# Allegro board FEE5_10_30.brd (continued)
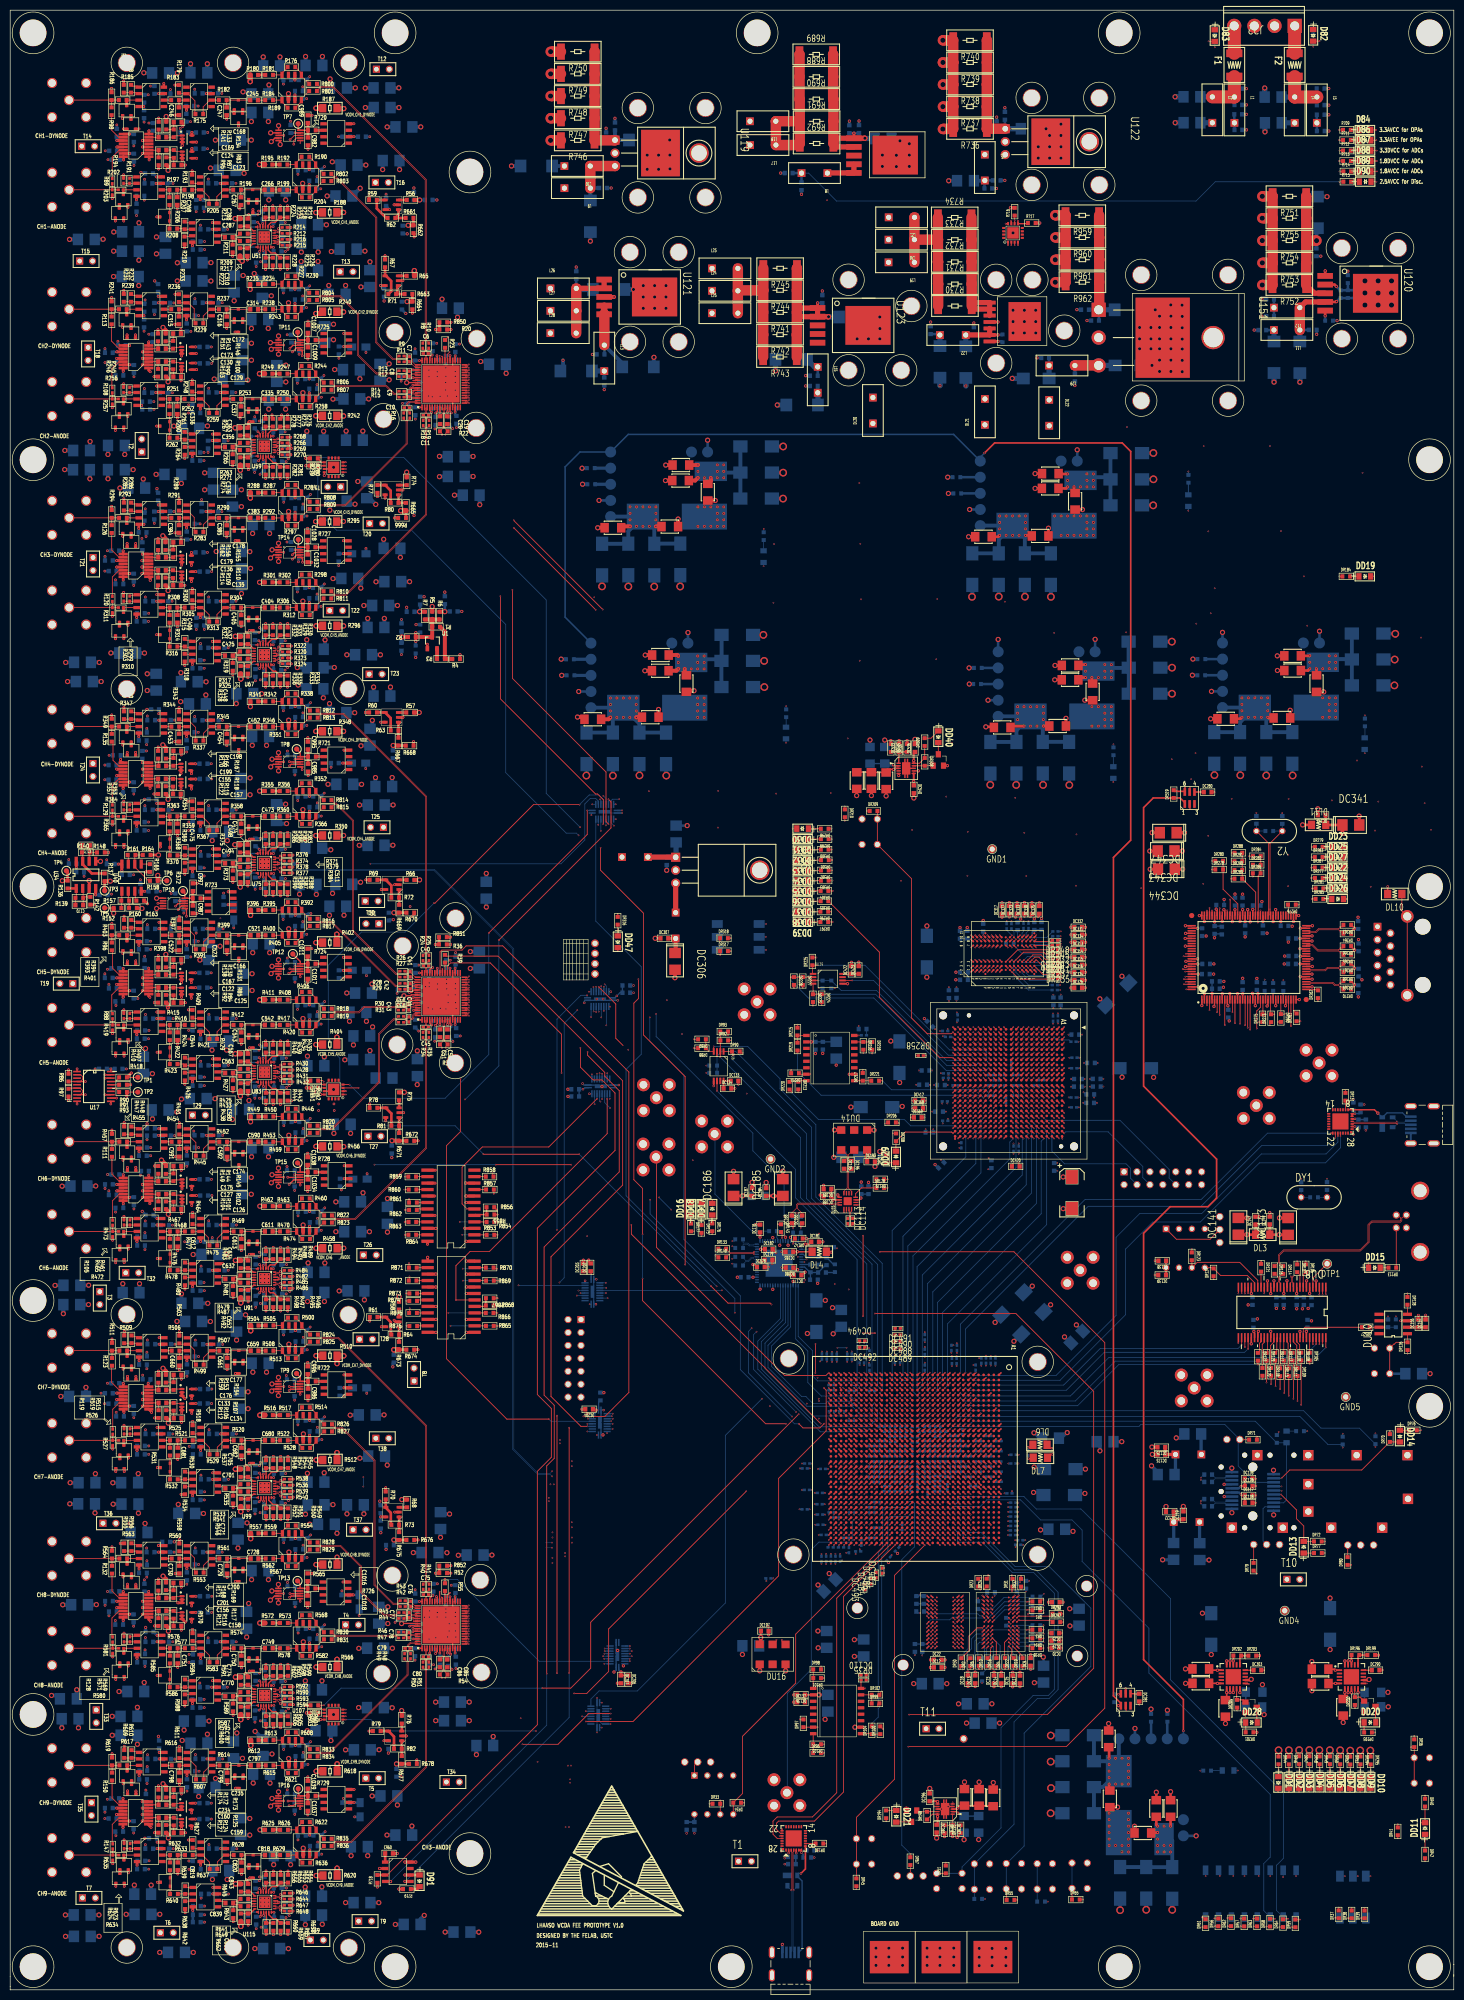
[diagram p0: board, top side]
## Routing (per net, layer and track width the routed paths; a pad name or vN(x,y) marks a point on that pad's centre or on a via; arc(x,y) is an arc through that point) (continued)
N17517587: length 2.9
  TOP w0.152: R468.1 34.32,148.92 R467.2 32.9,148.91 C612.1
N17517605: length 6.1
  TOP w0.152: C611.1 50.04,148.92 D51.3 R469.2 C613.1
N17517621: length 2.9
  TOP w0.152: C591.1 33.23,166.53 R454.2 34.7,166.53 U85.3
N17517738: length 5
  TOP w0.152: R445.2 37.99,165.21 39.31,166.53 U85.6 41.07,166.53 R452.1
N17517740: length 6.5
  TOP w0.152: R451.2 33.39,167.8 U85.2 35.05,167.8 36.47,166.38 R445.1
N17517760: length 4.9
  TOP w0.152: R487.2 44.86,139.22 44.11,139.22 43.79,139.54 C632.2 ; R481.2 43.79,139.59 C632.2 ; C632.2 43.79,139.66 44.08,139.95 44.9,139.95 R479.2
N17517797: length 3.5
  TOP w0.152: U84.3 22.97,166.53 R455.2
  TOP w0.508: R455.2 22.96,165.85 22.96,165.85 D46.3
N17517803: length 0.8
  TOP w0.508: D46.2 23.82,163.53 D48.3
N17517805: length 3.7
  TOP w0.152: R446.1 53.47,171.92 U86.8 R450.2
N17517829: length 1.4
  TOP w0.152: R454.1 31.7,166.53 U84.6
N17517861: length 3.6
  TOP w0.152: R472.2 24.89,148.92 U87.3
  TOP w0.508: R472.2 22.31,148.92 D50.3
N17517917: length 4.5
  TOP w0.102: U89.5 60.08,153.62 61.63,152.06 R822.1
  TOP w0.152: R460.2 58.87,155.39 60.08,154.18 U89.5
N17517939: length 3.7
  TOP w0.152: R463.2 56.26,153.88 U89.8 56.27,154.26 57.31,155.3 R460.1
N17517958: length 3.7
  TOP w0.152: R474.1 57.37,147.49 56.27,148.59 U89.1 56.27,148.92 R470.2
N17517970: length 4.4
  TOP w0.102: U89.4 60.08,149.15 61.58,150.66 R823.1
  TOP w0.152: U89.4 60.08,148.61 R474.2
N17518009: length 1.4
  TOP w0.152: C590.2 50.17,166.52 R453.1
N17518063: length 1.7
  TOP w0.152: U84.1 25.11,169.27 24.08,169.27 R448.2
N17518068: length 3
  TOP w0.152: R447.2 22.39,167.99 23.81,168 R448.1 25.11,168 U84.2
N17518126: length 1.4
  TOP w0.508: R450.1 50.18,171.48 R449.2
N17518503: length 1.4
  TOP w0.508: R462.2 R463.1
N17518522: length 2.6
  TOP w0.152: U87.2 24.89,150.18 R461.1 23.52,150.18 R465.2
N17518528: length 1.5
  TOP w0.152: U87.1 24.81,151.36 23.69,151.36 R461.2
N17518552: length 1.6
  TOP w0.152: R480.1 35.68,139.88 U90.3
N17518562: length 3
  TOP w0.152: R467.1 31.37,148.92 ; 31.37,148.92 R477.1 ; 31.37,148.92 31.36,148.91 U87.6
N17518567: length 4.6
  TOP w0.152: R477.2 31.37,145.94 D54.2 D54.1 31.38,142.81 R478.1
N17518648: length 5.2
  TOP w0.152: R468.2 37.4,148.92 U88.3 37.73,148.92 38.92,147.72 38.92,146.4 R475.1
N17518650: length 0.8
  TOP w0.508: D47.2 45.72,164.62 D49.1
N17518652: length 0.8
  TOP w0.508: D47.1 44.07,164.62 D49.2
N17518714: length 1.6
  TOP w0.152: U90.1 34.59,142.57 R476.1
N17518716: length 2.9
  TOP w0.152: U90.2 35.83,141.3 R476.2 34.34,141.3 R478.2
N17518748: length 5.2
  TOP w0.152: R469.1 U88.6 42.02,148.92 40.67,147.57 R475.2
N17519096: length 0.8
  TOP w0.508: D51.2 48.52,147.02 D53.1
N17519103: length 0.8
  TOP w0.508: D51.1 46.87,147.02 D53.2
N17519184: length 0.8
  TOP w0.508: D52.3 21.52,146.06 D50.1
N17519201: length 1.4
  TOP w0.152: C611.2 R470.1
N17519587: length 3.7
  TOP w0.152: R459.1 53.47,166.12 U86.1 53.47,166.52 R453.2
N17519608: length 4.5
  TOP w0.102: U86.5 57.28,171.22 58.81,169.69 R820.1
  TOP w0.152: R446.2 57.28,171.82 U86.5
N17519611: length 4.4
  TOP w0.102: R821.1 58.81,168.28 57.28,166.75 U86.4
  TOP w0.152: R459.2 56.08,165.06 57.28,166.26 U86.4
N17519614: length 1.7
  TOP w0.152: U90.6 40.94,139.88 41.98,139.88 C632.1
N17523030: length 6.1
  TOP w0.152: C659.1 D56.3 44.91,125.5 R507.2 42.62,125.49 C661.1
N17523073: length 2.9
  TOP w0.152: R521.1 34.33,107.89 R525.2 32.91,107.88 C681.1
N17523083: length 6.1
  TOP w0.152: C682.1 R520.2 D60.3 50.05,107.89 C680.1
N17523093: length 2.9
  TOP w0.152: C660.1 33.24,125.5 R506.2 34.71,125.5 U93.3
N17523200: length 5
  TOP w0.152: R499.2 38.01,124.18 39.33,125.5 U93.6 41.09,125.5 R507.1
N17523202: length 6.5
  TOP w0.152: R503.2 33.4,126.77 U93.2 35.07,126.77 36.23,125.6 36.23,123.01 R499.1
N17523246: length 4.3
  TOP w0.152: R541.2 44.62,98.46 44.42,98.46 ; R535.2 43.8,98.46 C701.2 44.42,98.46 ; 44.42,98.46 R533.2
N17523283: length 3.5
  TOP w0.152: U92.3 22.98,125.51 R509.2
  TOP w0.508: D55.3 22.97,124.82 22.98,124.83 R509.2
N17523289: length 0.8
  TOP w0.508: D55.2 23.83,122.5 D57.3
N17523291: length 3.7
  TOP w0.152: R505.2 U94.8 53.49,130.89 R500.1
N17523307: length 1.4
  TOP w0.152: R506.1 31.72,125.51 U92.6
N17523338: length 3.6
  TOP w0.152: R526.2 24.91,107.89 U95.3
  TOP w0.508: D59.3 22.33,107.89 R526.2
N17523395: length 4.6
  TOP w0.102: R826.1 61.62,111.05 60.1,112.57 U97.5
  TOP w0.152: U97.5 60.1,113.16 58.88,114.37 R514.2
N17523422: length 3.7
  TOP w0.152: R517.2 56.27,112.85 U97.8 56.29,113.23 57.33,114.28 R514.1
N17523444: length 3.7
  TOP w0.152: R528.1 57.39,106.46 56.29,107.56 U97.1 56.28,107.89 R522.2
N17523456: length 4.4
  TOP w0.102: R827.1 61.62,109.64 60.1,108.11 U97.4
  TOP w0.152: R528.2 60.1,107.59 U97.4
N17523495: length 1.4
  TOP w0.152: R508.1 50.19,125.49 C659.2
N17523538: length 1.7
  TOP w0.152: U92.1 25.13,128.24 24.09,128.24 R502.2
N17523554: length 3
  TOP w0.152: R501.2 22.41,126.96 23.83,126.97 R502.1 25.12,126.97 U92.2
N17523596: length 1.4
  TOP w0.508: R504.2 50.2,130.45 R505.1
N17523981: length 1.4
  TOP w0.508: R516.2 R517.1
N17524000: length 2.6
  TOP w0.152: R519.2 23.53,109.15 R515.1 24.91,109.15 U95.2
N17524014: length 1.5
  TOP w0.152: R515.2 23.64,110.27 24.75,110.27 U95.1
N17524038: length 1.6
  TOP w0.152: R534.1 35.69,98.82 U98.3
N17524048: length 3
  TOP w0.152: 31.38,107.89 R525.1 ; 31.38,107.89 31.38,107.89 U95.6 ; 31.38,107.89 R531.1
N17524053: length 4.7
  TOP w0.152: R532.1 31.39,101.75 D63.1 D63.2 31.39,104.91 R531.2
N17524134: length 5.2
  TOP w0.152: R529.1 39.16,106.47 37.74,107.89 U96.3 37.41,107.89 R521.2
N17524136: length 0.8
  TOP w0.508: D56.2 45.73,123.6 D58.1
N17524138: length 0.8
  TOP w0.508: D58.2 44.08,123.6 D56.1
N17524192: length 1.6
  TOP w0.152: U98.1 34.61,101.51 R530.1
N17524194: length 2.9
  TOP w0.152: U98.2 35.84,100.24 R530.2 34.36,100.24 R532.2
N17524234: length 5.2
  TOP w0.152: R529.2 40.69,106.55 42.03,107.89 U96.6 R520.1
N17524574: length 0.8
  TOP w0.508: D60.2 48.54,105.99 D61.1
N17524581: length 0.8
  TOP w0.508: D61.2 46.89,105.99 D60.1
N17524670: length 0.8
  TOP w0.508: D62.3 21.54,105.04 D59.1
N17524687: length 1.4
  TOP w0.152: C680.2 R522.1
N17525073: length 3.7
  TOP w0.152: R513.1 53.49,125.09 U94.1 53.48,125.5 R508.2
N17525086: length 4.5
  TOP w0.102: R824.1 58.85,128.67 57.3,130.23 U94.5
  TOP w0.152: U94.5 57.3,130.79 R500.2
N17525089: length 4.5
  TOP w0.102: U94.4 57.3,125.71 58.85,127.27 R825.1
  TOP w0.152: R513.2 57.3,125.2 U94.4
N17525092: length 1.7
  TOP w0.152: U98.6 40.98,98.79 41.94,98.79 C701.1
N17528527: length 6.1
  TOP w0.152: C728.1 D65.3 44.9,84.68 R561.2 42.61,84.67 C729.1
N17528570: length 2.9
  TOP w0.152: R577.1 34.33,67.07 R576.2 32.91,67.06 C751.1
N17528572: length 6.1
  TOP w0.152: C749.1 50.05,67.07 D69.3 R574.2 C750.1
N17528582: length 2.9
  TOP w0.152: C730.1 33.23,84.68 R560.2 34.7,84.68 U102.3
N17528697: length 5
  TOP w0.152: R553.2 38,83.36 39.32,84.68 U102.6 41.08,84.68 R561.1
N17528699: length 6.5
  TOP w0.152: R553.1 36.23,82.19 36.23,84.78 35.06,85.95 U102.2 33.4,85.95 R558.2
N17528735: length 4.3
  TOP w0.152: 44.41,57.64 44.61,57.64 R595.2 ; 44.41,57.64 C770.2 43.79,57.64 R589.2 ; 44.41,57.64 R587.2
N17528780: length 3.5
  TOP w0.152: R563.2 22.98,84.69 U100.3
  TOP w0.508: R563.2 22.97,84.01 22.97,84 D64.3
N17528786: length 0.8
  TOP w0.508: D66.3 23.82,81.68 D64.2
N17528788: length 3.7
  TOP w0.152: R559.2 U101.8 53.48,90.07 R554.1
N17528795: length 1.4
  TOP w0.152: R560.1 31.71,84.69 U100.6
N17528827: length 3.6
  TOP w0.152: U103.3 24.9,67.07 R580.2
  TOP w0.508: R580.2 22.32,67.07 D68.3
N17528892: length 4.5
  TOP w0.102: R830.1 60.09,71.76 U105.5
  TOP w0.152: U105.5 60.09,72.34 58.88,73.55 R568.2
N17528919: length 3.7
  TOP w0.152: R573.2 56.27,72.03 U105.8 56.28,72.41 57.32,73.46 R568.1
N17528941: length 3.7
  TOP w0.152: R582.1 57.38,65.64 56.28,66.74 U105.1 56.27,67.07 R578.2
N17528953: length 4.4
  TOP w0.102: U105.4 60.09,67.27 R831.1
  TOP w0.152: R582.2 60.09,66.77 U105.4
N17528992: length 1.4
  TOP w0.152: C728.2 50.18,84.67 R562.1
N17529035: length 1.7
  TOP w0.152: U100.1 25.12,87.42 24.09,87.42 R556.2
N17529051: length 3
  TOP w0.152: U100.2 25.12,86.15 R556.1 23.82,86.15 22.4,86.14 R555.2
N17529077: length 1.4
  TOP w0.508: R559.1 50.19,89.63 R557.2
N17529467: length 1.4
  TOP w0.508: R572.2 R573.1
N17529497: length 2.6
  TOP w0.152: R571.2 23.53,68.33 R569.1 24.9,68.33 U103.2
N17529503: length 1.5
  TOP w0.152: U103.1 24.73,69.43 23.62,69.43 R569.2
N17529535: length 1.6
  TOP w0.152: U106.3 35.65,58.01 R588.1
N17529545: length 3
  TOP w0.152: 31.37,67.07 R576.1 ; 31.37,67.07 R585.1 ; 31.37,67.07 31.37,67.07 U103.6
N17529550: length 4.7
  TOP w0.152: R586.1 31.35,60.94 D72.1 D72.2 31.35,64.07 R585.2
N17529631: length 5.2
  TOP w0.152: R577.2 37.4,67.07 U104.3 37.73,67.07 39.16,65.65 R583.1
N17529633: length 0.8
  TOP w0.508: D65.2 45.73,82.78 D67.1
N17529635: length 0.8
  TOP w0.508: D67.2 44.08,82.78 D65.1
N17529689: length 1.6
  TOP w0.152: U106.1 34.57,60.7 R584.1
N17529691: length 2.9
  TOP w0.152: R586.2 34.32,59.43 R584.2 35.8,59.43 U106.2
N17529731: length 5.2
  TOP w0.152: R574.1 U104.6 42.02,67.07 40.68,65.73 R583.2
N17530054: length 0.8
  TOP w0.508: D69.2 48.53,65.17 D70.1
N17530078: length 0.8
  TOP w0.508: D69.1 46.88,65.17 D70.2
N17530159: length 0.8
  TOP w0.508: D68.1 21.53,64.22 D71.3
N17530175: length 1.4
  TOP w0.152: C749.2 R578.1
N17530570: length 3.7
  TOP w0.152: R562.2 53.47,84.68 U101.1 53.48,84.27 R567.1
N17530575: length 4.5
  TOP w0.102: R828.1 58.8,87.85 57.29,89.37 U101.5
  TOP w0.152: R554.2 57.29,89.97 U101.5
N17530586: length 4.4
  TOP w0.102: U101.4 57.29,84.94 58.79,86.45 R829.1
  TOP w0.152: U101.4 57.29,84.43 56.09,83.23 R567.2
N17530589: length 1.7
  TOP w0.152: C770.1 41.93,57.97 40.96,57.97 U106.6
N17533994: length 6.1
  TOP w0.152: C799.1 42.63,44.06 R614.2 44.92,44.06 D74.3 C797.1
N17534026: length 2.9
  TOP w0.152: C819.1 32.93,26.45 R632.2 34.34,26.46 R633.1
N17534028: length 6.1
  TOP w0.152: C818.1 50.06,26.46 D78.3 R628.2 C820.1
N17534049: length 2.9
  TOP w0.152: C798.1 33.25,44.07 R616.2 34.72,44.07 U108.3
N17534164: length 5
  TOP w0.152: R614.1 41.1,44.07 U108.6 39.34,44.07 38.02,42.75 R607.2
N17534166: length 6.5
  TOP w0.152: R607.1 36.5,43.92 35.08,45.34 U108.2 33.41,45.34 R611.2
N17534186: length 4.9
  TOP w0.152: R643.2 C839.2 ; C839.2 43.82,17.1 44.13,17.41 44.81,17.41 R641.2 ; C839.2 44.16,16.71 44.95,16.71 R649.2
N17534247: length 3.5
  TOP w0.152: R617.2 22.99,44.07 U109.3
  TOP w0.508: R617.2 22.99,43.39 22.98,43.39 D73.3
N17534261: length 0.8
  TOP w0.508: D75.3 23.84,41.07 D73.2
N17534263: length 3.7
  TOP w0.152: R613.2 U110.8 53.5,49.46 R608.1
N17534270: length 1.4
  TOP w0.152: U109.6 31.73,44.07 R616.1
N17534294: length 3.6
  TOP w0.152: U113.3 24.92,26.46 R634.2
  TOP w0.508: D77.3 22.34,26.46 R634.2
N17534359: length 4.5
  TOP w0.102: U112.5 60.11,31.14 61.58,29.66 R835.1
  TOP w0.152: R622.2 58.89,32.94 60.11,31.72 U112.5
N17534394: length 3.7
  TOP w0.152: R626.2 56.28,31.42 U112.8 56.3,31.8 57.34,32.85 R622.1
N17534413: length 3.7
  TOP w0.152: R636.1 57.4,25.03 56.3,26.13 U112.1 56.29,26.46 R629.2
N17534420: length 4.4
  TOP w0.102: R836.1 60.11,26.74 U112.4
  TOP w0.152: U112.4 60.11,26.15 R636.2
N17534467: length 1.4
  TOP w0.152: R615.1 50.2,44.06 C797.2
N17534501: length 1.7
  TOP w0.152: R610.2 24.1,46.81 25.14,46.81 U109.1
N17534515: length 3
  TOP w0.152: R609.2 22.42,45.53 23.84,45.54 R610.1 25.13,45.54 U109.2
N17534544: length 1.4
  TOP w0.508: R612.2 50.21,49.02 R613.1
N17534934: length 1.4
  TOP w0.508: R625.2 R626.1
N17534964: length 2.6
  TOP w0.152: R624.2 23.54,27.72 R623.1 24.92,27.72 U113.2
N17534970: length 1.5
  TOP w0.152: U113.1 24.8,28.87 23.68,28.87 R623.2
N17535002: length 1.6
  TOP w0.152: R642.1 35.71,17.41 U114.3
N17535012: length 3
  TOP w0.152: 31.39,26.46 R639.1 ; 31.39,26.46 R632.1 ; 31.39,26.46 31.39,26.45 U113.6
N17535017: length 4.7
  TOP w0.152: R640.1 31.41,20.34 D81.1 D81.2 31.41,23.46 R639.2
N17535082: length 5.2
  TOP w0.152: R637.1 39.17,25.04 37.75,26.46 U111.3 37.42,26.46 R633.2
N17535108: length 0.8
  TOP w0.508: D76.1 45.74,42.16 D74.2
N17535110: length 0.8
  TOP w0.508: D74.1 44.09,42.16 D76.2
N17535150: length 1.6
  TOP w0.152: U114.1 34.63,20.1 R638.1
N17535152: length 2.9
  TOP w0.152: R640.2 34.38,18.83 R638.2 35.86,18.83 U114.2
N17535206: length 5.2
  TOP w0.152: R628.1 U111.6 42.04,26.46 40.7,25.12 R637.2
N17535521: length 0.8
  TOP w0.508: D79.1 48.55,24.56 D78.2
N17535544: length 0.8
  TOP w0.508: D79.2 46.9,24.56 D78.1
N17535626: length 0.8
  TOP w0.508: D77.1 21.55,23.6 D80.3
N17535642: length 1.4
  TOP w0.152: C818.2 R629.1
N17536037: length 3.7
  TOP w0.152: R621.1 53.5,43.66 U110.1 53.49,44.06 R615.2
N17536042: length 4.4
  TOP w0.102: U110.5 57.31,48.82 R833.1
  TOP w0.152: R608.2 57.31,49.36 U110.5
N17536053: length 4.4
  TOP w0.102: R834.1 58.81,45.84 57.31,44.34 U110.4
  TOP w0.152: R621.2 57.31,43.76 U110.4
N17536056: length 1.7
  TOP w0.152: U114.6 41.01,17.37 41.98,17.37 C839.1
N17590737: length 3.3
  BOTTOM w0.635: DU28.8 110.85,258.1 DR188.1
N17591111: length 1.7
  TOP w0.152: DR184.2 264.95,277.54 DD19.1
N17592110: length 2.4
  BOTTOM w0.203: DD46.1 231.45,293.59 DR315.2
N17592497: length 3
  BOTTOM w0.635: DR183.1 114.92,295.63 DU26.8
N17593470: length 3.4
  BOTTOM w0.508: DU25.8 234.74,258.14 DR182.1
N17595870: length 2.2
  BOTTOM w0.152: DD45.1 238.08,43.04 DR314.2
N17596153: length 1.7
  TOP w0.254: DU32.4 221.78,58.14 DC281.1
N17598777: length 3.4
  BOTTOM w0.508: DR192.1 190.71,256.4 DU30.8
N17601070: length 2.3
  BOTTOM w0.152: DD44.1 216.7,242.42 DR313.2
N17605790: length 2
  BOTTOM w0.152: DD43.1 152.43,247.96 DR312.2
N17606177: length 3.8
  BOTTOM w0.508: DR191.1 186.82,293.85 DU29.8
N17607950: length 2.1
  BOTTOM w0.152: DD42.1 148,284.65 DR311.2
N17610310: length 2.3
  BOTTOM w0.152: DD41.1 266.13,245.89 DR310.2
N17618838: length 1.7
  TOP w0.254: v9(48.25,346.15) 48.6,346.15 U51.6
  BOTTOM w0.254: R220.1 47.38,346.15 v9(48.25,346.15)
N17618841: length 1.1
  TOP w0.254: U51.9 47.44,344.42 v9(47.42,344.4)
  BOTTOM w0.254: v9(47.42,344.4) 47.05,344.77 R220.2
N17618859: length 1.7
  TOP w0.254: v9(48.3,342.22) 48.65,342.22 U51.13
  BOTTOM w0.254: R221.1 47.25,342.22 v9(48.3,342.22)
N17618865: length 1.2
  TOP w0.254: U51.10 47.44,343.91 v9(47.43,343.92)
  BOTTOM w0.254: v9(47.43,343.92) 47.05,343.54 R221.2
N17620894: length 1.3
  TOP w0.152: U59.8 46.75,303.86 R263.1
N17620932: length 1.3
  TOP w0.152: R271.1 47.94,302.35 U59.11
N17620934: length 3.1
  TOP w0.254: U59.12 47.73,301.82 46.82,300.92 C376.2 R274.1
N17620946: length 1.2
  TOP w0.254: v9(48.26,305.08) 48.61,305.08 U59.6
  BOTTOM w0.254: R272.1 47.46,305.08 v9(48.26,305.08)
N17620948: length 1.2
  TOP w0.254: v9(47.44,303.36) 47.95,303.36 U59.9
  BOTTOM w0.254: v9(47.44,303.36) 47.44,304.03 R272.2
N17620960: length 1.2
  TOP w0.254: U59.13 48.67,301.17 v9(48.31,301.17)
  BOTTOM w0.254: R273.1 v9(48.31,301.17)
N17620972: length 1.2
  TOP w0.254: v9(47.44,302.85) 47.95,302.85 U59.10
  BOTTOM w0.254: v9(47.44,302.85) 47.44,302.23 R273.2
N17620995: length 3.1
  TOP w0.254: R267.1 C363.2 47.46,304.36 U59.7
N17631071: length 1.3
  TOP w0.152: R317.1 46.77,262.89 U67.8
N17631140: length 1.3
  TOP w0.152: R325.1 47.96,261.38 U67.11
N17631142: length 3.1
  TOP w0.254: U67.12 47.76,260.85 46.85,259.95 C448.2 R328.1
N17631154: length 2.1
  TOP w0.254: U67.6 v9(48.27,264.1)
  BOTTOM w0.254: R326.1 46.64,264.1 v9(48.27,264.1)
N17631156: length 1.5
  TOP w0.254: U67.9 v9(47.46,262.38)
  BOTTOM w0.254: R326.2 46.84,262.38 v9(47.46,262.38)
N17631168: length 2.4
  TOP w0.254: U67.13 48.61,260.27 48.5,260.27 v9(48.33,260.27)
  BOTTOM w0.254: R327.1 47.22,260.27 v9(48.33,260.27)
N17631172: length 1.7
  TOP w0.254: U67.10 v9(47.46,261.87)
  BOTTOM w0.254: R327.2 46.77,261.18 v9(47.46,261.87)
N17631203: length 3.1
  TOP w0.254: R321.1 C432.2 46.92,264.24 47.77,263.39 U67.7
N17632559: length 1.3
  TOP w0.152: R371.1 47.98,221.92 U75.8
N17632628: length 1.3
  TOP w0.152: U75.11 46.81,220.38 R379.1
N17632630: length 3.1
  TOP w0.254: R384.1 C511.2 46.87,219.06 47.68,219.87 U75.12
N17632642: length 2.1
  TOP w0.254: U75.6 v9(48.28,223.12)
  BOTTOM w0.254: v9(48.28,223.12) 46.66,223.12 R380.1
N17632644: length 1.4
  TOP w0.254: U75.9 v9(47.47,221.39)
  BOTTOM w0.254: R380.2 46.73,221.39 v9(47.47,221.39)
N17632656: length 2.4
  TOP w0.254: v9(48.33,219.3) 48.61,219.3 U75.13
  BOTTOM w0.254: R381.1 46.67,218.57 47.4,219.3 v9(48.33,219.3)
N17632660: length 1.7
  TOP w0.254: v9(47.47,220.88) 47.5,220.88 47.5,220.89 U75.10
  BOTTOM w0.254: v9(47.47,220.88) 46.68,220.1 R381.2
N17632691: length 3.2
  TOP w0.254: R375.1 46.61,223.34 C498.2 46.83,223.33 47.75,222.41 U75.7
N17634016: length 1.3
  TOP w0.152: U83.8 46.8,180.93 R425.1
N17634085: length 1.3
  TOP w0.152: U83.11 47.99,179.43 R433.1
N17634087: length 3.1
  TOP w0.254: U83.12 47.74,178.9 46.85,178.01 C580.2 46.7,178.02 R438.1
N17634099: length 2.1
  TOP w0.254: v9(48.3,182.09) 48.6,182.09 U83.6
  BOTTOM w0.254: R436.1 46.8,182.09 v9(48.3,182.09)
N17634101: length 1.5
  TOP w0.254: U83.9 47.55,180.42 47.54,180.43 v9(47.49,180.43)
  BOTTOM w0.254: R436.2 46.93,180.43 v9(47.49,180.43)
N17634113: length 2.2
  TOP w0.254: U83.13 48.71,178.25 v9(48.36,178.25)
  BOTTOM w0.254: v9(48.36,178.25) 47.11,178.25 46.71,177.86 R437.1
N17634117: length 1.6
  TOP w0.254: U83.10 v9(47.49,179.92)
  BOTTOM w0.254: R437.2 46.76,179.38 47.3,179.92 v9(47.49,179.92)
N17634148: length 3.1
  TOP w0.254: R429.1 C567.2 46.88,182.29 47.73,181.44 U83.7
N17635469: length 1.3
  TOP w0.152: R479.1 46.85,140.38 U91.8
N17635538: length 1.3
  TOP w0.152: U91.11 48.02,138.85 R487.1
N17635540: length 3.1
  TOP w0.254: U91.12 47.81,138.35 46.88,137.42 C652.2 46.73,137.43 R492.1
N17635552: length 2
  TOP w0.254: v9(48.33,141.61) 48.43,141.61 48.44,141.6 U91.6
  BOTTOM w0.254: R490.1 46.81,141.61 v9(48.33,141.61)
N17635554: length 1.4
  TOP w0.254: U91.9 v9(47.51,139.88)
  BOTTOM w0.254: v9(47.51,139.88) 47.01,139.88 R490.2
N17635566: length 2.2
  TOP w0.254: U91.13 v9(48.38,137.69)
  BOTTOM w0.254: v9(48.38,137.69) 47.24,137.69 R491.1
N17635570: length 1.5
  TOP w0.254: U91.10 v9(47.51,139.37)
  BOTTOM w0.254: R491.2 46.87,138.73 v9(47.51,139.37)
N17635601: length 3.1
  TOP w0.254: U91.7 47.74,140.89 46.93,141.7 C634.2 R483.1
N17636917: length 1.3
  TOP w0.152: U99.8 46.83,99.36 R533.1
N17636986: length 1.3
  TOP w0.152: U99.11 48.03,97.85 R541.1
N17636988: length 3.1
  TOP w0.254: R546.1 46.73,96.43 C721.2 46.87,96.42 47.77,97.33 U99.12
N17637000: length 2
  TOP w0.254: U99.6 v9(48.34,100.58)
  BOTTOM w0.254: v9(48.34,100.58) 46.8,100.58 R542.1
N17637002: length 1.4
  TOP w0.254: v9(47.53,98.85) 47.62,98.85 47.63,98.85 U99.9
  BOTTOM w0.254: v9(47.53,98.85) 47,98.85 R542.2
N17637006: length 2.3
  TOP w0.254: U99.13 v9(48.39,96.67)
  BOTTOM w0.254: R543.1 46.72,96.19 47.2,96.67 v9(48.39,96.67)
N17637018: length 1.6
  TOP w0.254: U99.10 v9(47.53,98.34)
  BOTTOM w0.254: R543.2 46.9,97.71 v9(47.53,98.34)
N17637049: length 3.1
  TOP w0.254: U99.7 47.72,99.87 46.88,100.71 C705.2 46.7,100.72 R537.1
N17638408: length 1.3
  TOP w0.152: R587.1 46.83,58.54 U107.8
N17638477: length 1.3
  TOP w0.152: U107.11 48.02,57.03 R595.1
N17638479: length 3.1
  TOP w0.254: R600.1 C787.2 46.84,55.59 47.75,56.51 U107.12
N17638491: length 2
  TOP w0.254: U107.6 v9(48.33,59.76)
  BOTTOM w0.254: R596.1 46.84,59.76 v9(48.33,59.76)
N17638493: length 1.4
  TOP w0.254: U107.9 v9(47.52,58.03)
  BOTTOM w0.254: R596.2 47.04,58.03 v9(47.52,58.03)
N17638497: length 2.3
  TOP w0.254: U107.13 v9(48.38,55.84)
  BOTTOM w0.254: R597.1 46.72,55.37 47.2,55.84 v9(48.38,55.84)
N17638501: length 1.6
  TOP w0.254: U107.10 v9(47.52,57.52)
  BOTTOM w0.254: R597.2 46.89,56.89 v9(47.52,57.52)
N17638540: length 3.1
  TOP w0.254: R591.1 46.72,59.89 C774.2 46.9,59.88 47.73,59.05 U107.7
N17639907: length 1.3
  TOP w0.152: R641.1 46.84,17.93 U115.8
N17639976: length 1.3
  TOP w0.152: U115.11 48.04,16.42 R649.1
N17639978: length 3.1
  TOP w0.254: R652.1 46.74,14.98 C856.2 47.15,14.99 U115.12
N17639990: length 2
  TOP w0.254: v9(48.35,19.08) 48.65,19.08 U115.6
  BOTTOM w0.254: v9(48.35,19.08) 46.8,19.08 R650.1
N17639992: length 1.3
  TOP w0.254: U115.9 v9(47.54,17.42)
  BOTTOM w0.254: R650.2 46.82,17.42 v9(47.54,17.42)
N17639996: length 2.3
  TOP w0.254: v9(48.4,15.27) 48.48,15.27 48.73,15.27 U115.13
  BOTTOM w0.254: R651.1 47.46,15.27 v9(48.4,15.27)
N17640000: length 1.7
  TOP w0.254: U115.10 v9(47.54,16.91)
  BOTTOM w0.254: v9(47.54,16.91) 46.75,16.13 R651.2
N17640031: length 3.1
  TOP w0.254: U115.7 47.21,19.28 C843.2 46.74,19.28 R645.1
N167726550: length 1.8
  TOP w0.152: DR76.1 274.79,109.87 DD14.1
N167728190: length 2
  TOP w0.152: DR77.1 256.12,85.76 DD13.1
N167729630: length 1.9
  BOTTOM w0.152: DR78.1 252.61,109.71 DD12.1
N167755410: length 3.2
  TOP w0.203: DD20.2 268.21,52.55 Q1.3
N167757790: length 2
  TOP w0.203: DD20.1 265.96,50.56 DR193.2
N167758190: length 1.9
  TOP w0.203: DR201.2 242.69,50.57 DD28.1
N167758191: length 3
  TOP w0.203: DD28.2 244.89,52.58 Q3.3
N167758790: length 2
  TOP w0.152: DD21.1 172.08,35.22 DR194.2
N167758791: length 3
  TOP w0.152: DD21.2 174.1,32.97 Q2.3
N167759190: length 2.2
  TOP w0.152: DR316.2 119.34,206.96 DD47.1
N167761370: length 2.3
  TOP w0.152: DD40.2 182.32,242.62 Q5.3
N167761832: length 5.8
  TOP w1.016: DL9.1 130.73,217.31 DU36.3
N167763871: length 3.3
  TOP w0.152: DR309.2 180.89,245.78 DD40.1
N167773160: length 1.7
  TOP w0.152: DR285.2 257.97,214.2 DD26.1
N167773320: length 1.7
  TOP w0.152: DD22.1 257.84,218.32 DR277.2
N167773820: length 1.8
  TOP w0.152: DR283.2 259.53,222.42 DD25.1
N167775470: length 1.8
  TOP w0.152: DR279.2 DD23.1
N167775580: length 1.8
  TOP w0.152: DR287.2 257.81,220.35 DD27.1
N167776560: length 1.7
  TOP w0.152: DD24.1 257.97,216.27 DR281.2
N168211214: length 1.7
  TOP w0.152: R165.2 27.43,221.05 U40.5
N174487351: length 1.6
  TOP w0.152: U48.2 35.91,354.73 R193.2
N174953661: length 1.6
  TOP w0.152: R248.2 35.92,313.66 U57.2
N175010081: length 1.6
  TOP w0.152: U65.2 35.94,272.69 R300.2
N175065491: length 1.6
  TOP w0.152: R354.2 35.95,231.71 U73.2
N175120421: length 1.6
  TOP w0.152: R409.2 35.97,190.74 U80.2
N175186391: length 1.6
  TOP w0.152: U88.2 35.99,150.19 R464.2
N175241251: length 1.6
  TOP w0.152: U96.2 36.01,109.16 R518.2
N175296221: length 1.6
  TOP w0.152: U104.2 36,68.34 R570.2
N175350991: length 1.6
  TOP w0.152: R627.2 36.02,27.73 U111.2

## Copper pours and planes (outline as drawn; the poured copper is in the pictures)
GND on BOTTOM (solid shape): 136.95,249.21 128.06,249.21 128.06,254.29 136.95,254.29
GND on BOTTOM (solid shape): 140.81,286.74 131.92,286.74 131.92,291.82 140.81,291.82
GND on BOTTOM (solid shape): 213.42,284.96 204.53,284.96 204.53,290.04 213.42,290.04
GND on BOTTOM (solid shape): 216.94,247.51 208.05,247.51 208.05,252.59 216.94,252.59
GND on BOTTOM (solid shape): 220.31,26.43 215.23,26.43 215.23,35.32 220.31,35.32
GND on BOTTOM (solid shape): 261.01,249.25 252.12,249.25 252.12,254.33 261.01,254.33
GND on G1, G2, G3, G4: 0.07,388.66 0.07,0.06 283.52,0.06 283.52,388.66
VCC1V0 on BOTTOM (solid shape): 247.67,249.25 241.32,249.25 241.32,254.33 247.67,254.33
VCC1V0 on P3: 228.08,308.72 283.52,308.72 283.52,110.99 188.08,110.99 186.62,109.53 186.62,98.89 159.16,98.89 152.79,105.26 152.79,155.52 161.72,164.44 219.54,164.44 228.08,172.98
VCC1V2 on BOTTOM (solid shape): 203.6,247.51 197.25,247.51 197.25,252.59 203.6,252.59
VCC1V2 on P3: 185.96,308.72 226.7,308.72 226.7,173.93 218.4,165.62 162.46,165.62 178.31,181.47 197.25,181.47 199.08,183.3 204.61,183.3 208.71,187.4 208.71,194.38 207.39,195.7 207.39,209.74 185.96,231.17
VCC1V5 on BOTTOM (solid shape): 123.62,249.21 117.27,249.21 117.27,254.29 123.62,254.29
VCC1V5 on P3: 102.74,308.72 102.74,0.06 283.52,0.06 283.52,61.05 204.75,61.05 204.75,90.13 199.2,90.13 197.1,92.23 197.1,96.87 195.82,98.15 158.3,98.15 157.45,99 157.42,99 151.15,105.27 151.15,156.51 177.28,182.64 197.75,182.64 199.74,184.62 204.28,184.62 207.42,187.77 207.42,194.2 206.92,194.7 206.55,194.7 205.83,195.42 205.83,199.39 205.35,199.87 205.35,208.03 183.03,230.35 183.03,308.72
VCC1V8 on BOTTOM (solid shape): 220.31,39.76 215.23,39.76 215.23,46.11 220.31,46.11
VCC1V8 on P2: 169.43,110.73 169.43,99.8 171.6,97.63 173.38,97.63 177.62,93.4 177.62,78.07 198.3,78.07 202.35,74.02 202.35,0.06 213.81,0.06 213.81,30.47 222.02,38.68 236.6,38.68 244.59,46.68 244.59,112.01 170.7,112.01
VCC2V5 on BOTTOM (solid shape): 200.09,284.96 193.74,284.96 193.74,290.04 200.09,290.04
VCC2V5 on P2: 102.74,0.06 102.74,135.35 157.18,135.35 169.58,147.75 169.58,192.49 209.18,192.49 215.05,198.36 215.05,229.73 192.57,252.21 102.74,252.21 102.74,308.72 244.26,308.72 244.26,253.7 257.62,240.34 257.62,128.61 242.83,113.82 170.44,113.82 168.34,111.72 168.34,99.91 171.05,97.2 172.35,97.2 175.79,93.76 175.79,0.06
